# Altium PCB RevA2.PcbDoc (part 4 of 6) (continued)
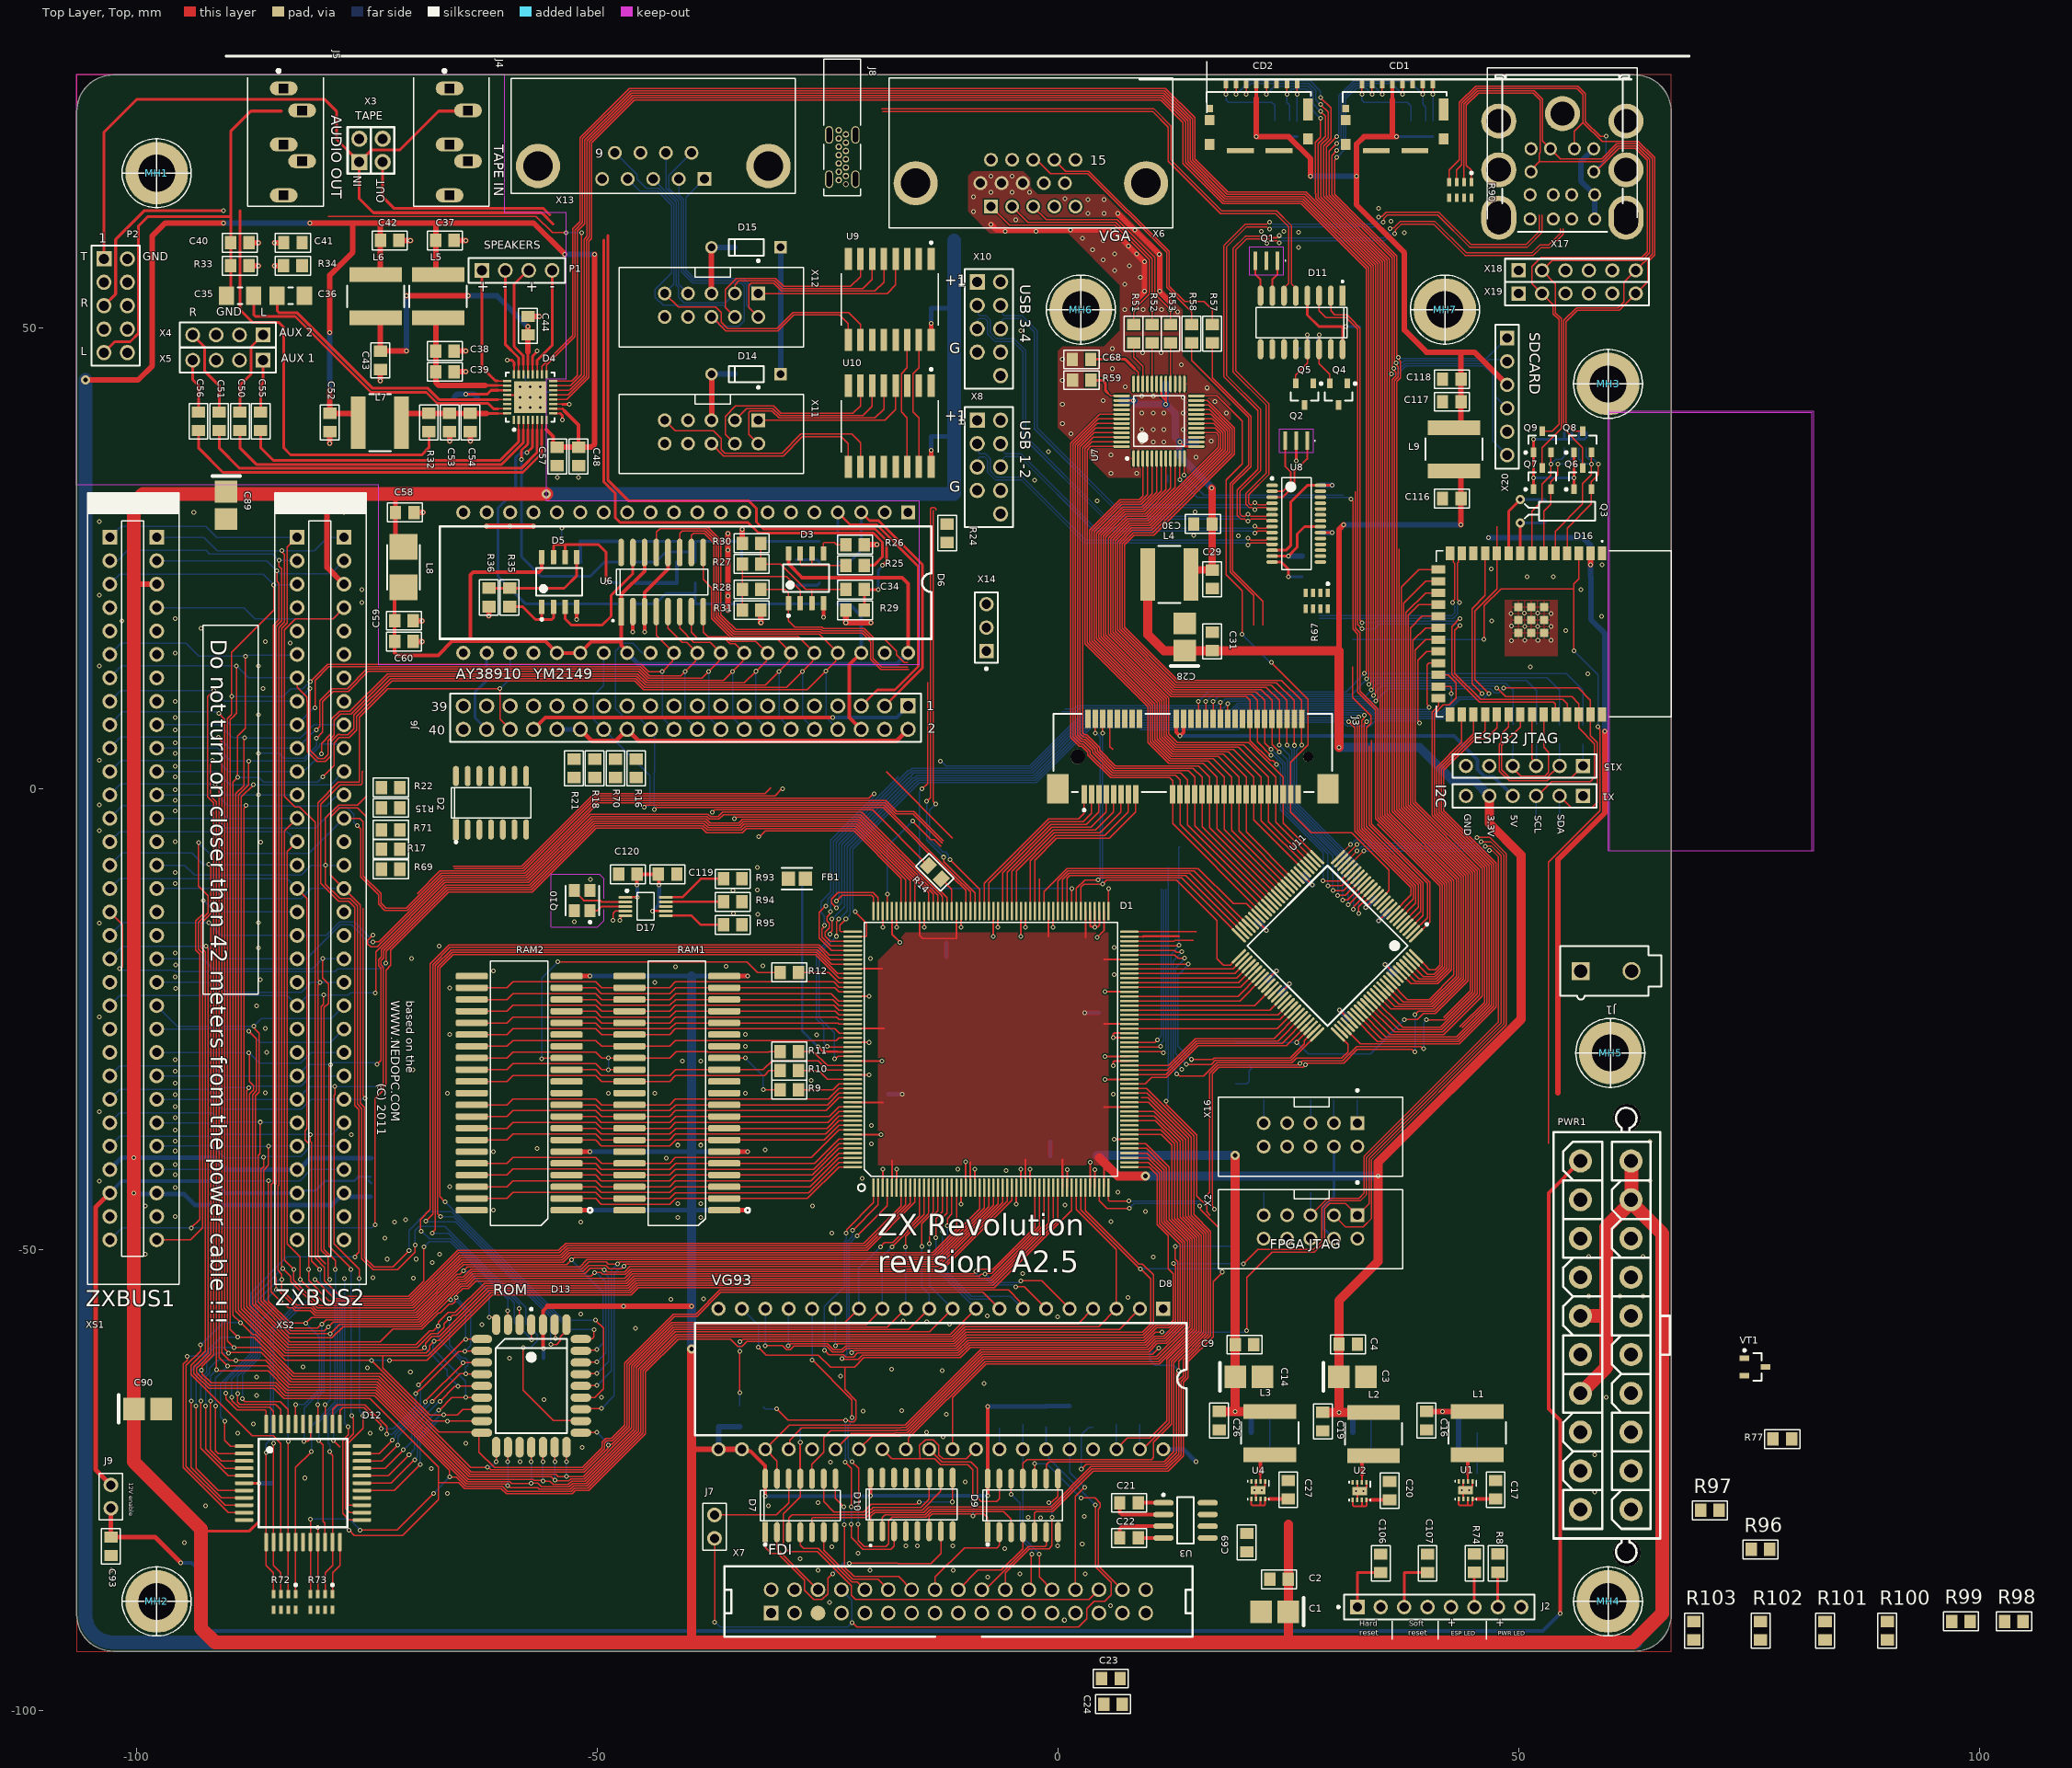
[diagram p0: Top Layer, Top view]
## Nets (pads, with @x,y where several pads share a name; then routed paths per layer and width w, separated by ;. In a path a pad name is that pad's centre, name@x,y a point inside that pad or via, vN(x,y) a via of type N, cw(c..) or ccw(c..) an arc to the next point about the centre after c; other vN are vias at no path point) (continued)
GPIO_4_1: D1.126 J3.9 | length 19.9
  Top Layer, Top w0.127: D1.126@-5,-13.25 -5,-8.947 -0.503,-4.45 4.1,-4.45 6.05,-2.5 J3.9@6.05,-0.6
GPIO_5_1: D1.125 J3.11 | length 20.3
  Top Layer, Top w0.127: D1.125@-4.5,-13.25 -4.5,-8.871 -0.379,-4.75 4.6,-4.75 6.85,-2.5 J3.11@6.85,-0.6
GPIO_6_1: D1.122 J3.13 | length 20.2
  Top Layer, Top w0.127: D1.122@-3,-13.25 -3,-7.795 -0.254,-5.05 5.1,-5.05 7.65,-2.5 J3.13@7.65,-0.6
GPIO_7_1: D1.121 J3.15 | length 20.5
  Top Layer, Top w0.127: D1.121@-2.5,-13.25 -2.5,-7.72 -0.13,-5.35 5.6,-5.35 8.45,-2.5 J3.15@8.45,-0.6
GPIO_8_1: D1.120 | length 3.5
  Top Layer, Top w0.127: D1.120@-2,-13.25 -2,-9.75
H\A\L\T\: D12.14 XS1.B15 XS2.B15 | length 102.2
  Top Layer, Top w0.127: v1(-92.125,-8.182) -92.125,-8.27 -91.9,-8.495 -91.9,-13.532 -92.95,-14.582 -92.95,-17.242 -92.5,-17.692 -92.5,-60.984 -94.05,-62.534 -94.05,-63.536 -87.412,-70.175 -85.112,-70.175 -84.3,-70.987 D12.14@-84.3,-81.7
  Bottom Layer, Bottom w0.127: XS1.B15@-103.235,-8.645 -101.549,-6.958 -93.961,-6.958 -92.737,-8.182 v1(-92.125,-8.182) -92.068,-8.239 -82.57,-8.239 XS2.B15@-82.54,-8.27
HSYNC_1: D1.111 J3.6 R58.1 R100.2 U11.51 | length 79.7
  Top Layer, Top w0.127: D1.111@2.5,-13.25 2.5,-10.656 2.83,-10.327 4.842,-10.327 v1(4.858,-10.311) ; v1(4.85,6.055) J3.6@4.85,7.6 ; v1@4.865,-10.355 5.312,-9.908 12.887,-9.908 17.25,-14.271 17.25,-18.396 17.953,-19.1 18.693,-19.1 U11.51@19.646,-18.146 ; R58.1@14.5,48.375 14.5,46.5 20.7,40.3 20.7,35.093 18.716,33.109 18.716,23.518 21.25,20.984 21.25,17.75
  Bottom Layer, Bottom w0.127: v1(4.85,6.055) 4.85,-10.303 v1(4.858,-10.311)
I2C.SCL_1: D4.17 D16.38 D17.4 J3.30 R82.2 U9.14 U10.14 X1.3 | length 268
  Top Layer, Top w0.127: D4.17@-55.5,44.975 -55.5,45.991 -52.403,49.088 -52.403,60.635 -51.598,61.439 -51.598,70.522 -46.375,75.746 11.575,75.746 14.611,72.71 14.611,68.245 18.34,64.516 26.821,64.516 34.475,56.862 34.475,10.387 34.266,10.177 v1(34.266,10.126) ; v1(-48.25,-14.25) -48.25,-13.5 -48,-13.25 D17.4@-46.925,-13.25 D17.4@-46.75,-13.25 ; U10.14@-16.34,34.95 -16.34,40.257 -16.965,40.882 -16.965,45.064 -16.34,45.689 U9.14@-16.34,48.7 ; J3.30@17.65,7.6 v1(17.649,9.375) ; v1(47.64,10.959) 48.599,10 55.762,10 56.532,9.23 D16.38@56.532,8.075 56.532,6.61 58.237,4.905 58.237,1.28 57.757,0.8 53.57,0.8 52.02,-0.75 X1.3@51.902,-0.75
  Bottom Layer, Bottom w0.127: v1@-48.302,-14.302 v1(-48.25,-14.25) ; 0.77,8.663 1.815,8.663 2.157,9.005 17.255,9.005 17.624,9.375 17.75,9.375 18.157,9.781 33.921,9.781 v1(34.266,10.126) 34.266,10.26 34.299,10.26 34.337,10.298 34.337,10.394 35.127,11.184 47.327,11.184 47.552,10.959 v1(47.64,10.959) ; R82.2@51.902,-4 X1.3@51.902,-0.75
I2C.SDA_1: D4.18 D16.39 D17.5 J3.32 R83.2 U9.15 U10.15 X1.2 | length 270.3
  Top Layer, Top w0.127: D4.18@-56,44.975 -56,45.85 -55.8,46.05 -52.657,49.193 -52.657,60.74 -51.852,61.544 -51.852,70.628 -46.48,76 11.68,76 14.865,72.815 14.865,68.35 18.445,64.77 26.926,64.77 34.729,56.967 34.729,9.796 34.52,9.587 v1(34.52,9.527) ; v1(-47.5,-14.25) -47.414,-14.164 -47.414,-13.904 -47.259,-13.75 D17.5@-46.925,-13.75 D17.5@-46.75,-13.75 ; U10.15@-15.07,34.95 -15.07,40.257 -15.695,40.882 -15.695,45.064 -15.07,45.689 U9.15@-15.07,48.7 ; v1(18.434,9.241) 18.434,7.616 J3.32@18.45,7.6 ; v1(48.39,10.959) 56.478,10.959 57.802,9.635 D16.39@57.802,8.075 57.802,5.764 58.537,5.029 58.537,-1.463 58,-2 55.692,-2 X1.2@54.442,-0.75
  Bottom Layer, Bottom w0.127: v1@-47.512,-14.262 v1(-47.5,-14.25) ; 0.409,8.363 1.939,8.363 2.327,8.751 17.944,8.751 18.72,9.527 v1(34.52,9.527) 34.587,9.46 34.587,9.654 35.817,10.884 46.972,10.884 47.422,10.434 47.857,10.434 48.382,10.959 v1(48.39,10.959) ; R83.2@54.442,-4 X1.2@54.442,-0.75
I\N\T\_1: D1.10 D12.12 R72.4 XS1.B13 XS2.B13 | length 184.5
  Top Layer, Top w0.127: v1(-85.9,-72) D12.12@-85.9,-81.7 -85.9,-84.25 -85.1,-85.05 R72.4@-85.1,-87.35 ; v1@-83,-52.2 -82.9,-52.3 -82.9,-53.313 -80.153,-56.059 -70.036,-56.059 -64.808,-50.831 -53.871,-50.831 -53.084,-50.044 -20.718,-50.044 -15.5,-44.825 D1.10@-15.5,-43.25 ; v1(-82.9,-52.1) -83.915,-51.085 -83.915,-4.565 XS2.B13@-82.54,-3.19
  Bottom Layer, Bottom w0.127: XS1.B13@-103.235,-3.565 XS1.B13@-102.86,-3.19 -101.478,-1.808 -91.511,-1.808 -90.129,-3.19 -82.61,-3.19 XS2.B13@-82.6,-3.2 ; v1(-85.9,-72) -85.9,-71.057 -85.4,-70.557 -85.4,-58.638 -82.9,-56.138 -82.9,-52.3 v1@-83,-52.2
I\O\R\Q\1\_1: D1.148 XS1.B17 | length 106.1
  Top Layer, Top w0.127: XS1.B17@-102.86,-13.35 -101.5,-14.71 -101.5,-19.25 v1@-101.75,-19.5 ; v1(-72.9,-18.896) -72.9,-17.626 -66.193,-10.92 -57.112,-10.92 -50.194,-4.001 -38.5,-4.001 -38.03,-4.471 -34.323,-4.471 -33.9,-4.048 -21.912,-4.048 -16,-9.96 D1.148@-16,-13.25
  Bottom Layer, Bottom w0.127: v1(-101.785,-19.514) -101.684,-19.514 -101.535,-19.663 -95.9,-19.663 -95.758,-19.805 -78.411,-19.805 -78.111,-19.505 -73.508,-19.505 v1(-72.9,-18.896)
I\O\R\Q\2\_1: D1.149 XS1.B31 XS2.B17 | length 174.9
  Top Layer, Top w0.127: v1(-94.034,-47.63) -93.114,-46.71 -93.114,-17.926 -93.55,-17.491 -93.55,-14.333 -92.725,-13.508 v1(-92.725,-12.103) ; v1(-74.074,-47.272) -74.074,-33.584 -73.172,-32.682 -73.172,-32.285 -72.918,-32.031 -72.918,-19.657 -72.375,-19.114 -72.375,-17.461 -66.088,-11.174 -57.007,-11.174 -50.088,-4.255 -38.605,-4.255 -38.135,-4.725 -34.218,-4.725 -33.795,-4.302 -22.017,-4.302 -16.5,-9.819 D1.149@-16.5,-13.25
  Bottom Layer, Bottom w0.127: XS1.B31@-103.122,-49.172 -101.548,-47.598 -94.067,-47.598 v1(-94.034,-47.63) -74.459,-47.63 -74.101,-47.272 v1(-74.074,-47.272) ; v1(-92.725,-12.103) -91.478,-13.35 XS2.B17@-82.55,-13.35
I\O\R\Q\_1: D1.7 D12.16 R72.1 | length 107.5
  Top Layer, Top w0.127: R72.1@-82.7,-87.35 -82.7,-86.6 D12.16@-82.7,-81.7 -82.7,-73.6 v1(-81,-71.9) ; v1(-80.6,-53.2) -78.502,-55.297 -70.352,-55.297 -65.124,-50.069 -54.186,-50.069 -53.399,-49.282 -21.034,-49.282 -17,-45.248 D1.7@-17,-43.25
  Bottom Layer, Bottom w0.127: v1(-81,-71.9) -81,-69.113 -78.413,-66.526 -78.413,-55.386 v1(-80.6,-53.2)
I\P\_6: D8.35 J7.1 R60.1 X7.8 | length 80
  Top Layer, Top w0.127: J7.1@-37.25,-81.29 -37.24,-81.3 -37.24,-90.401 v1(-37.23,-90.411) ; v1(-22.33,-90.463) -22.231,-90.463 -21.779,-90.915 2.267,-90.915 3.161,-90.02 3.161,-88.921 3.954,-88.128 5.072,-88.128 5.771,-87.429 5.771,-86.07 4.084,-84.382 v1(4.084,-77.688)
  Bottom Layer, Bottom w0.127: v1(-37.23,-90.411) -37.146,-90.411 -36.642,-90.915 -22.818,-90.915 -22.367,-90.463 v1(-22.33,-90.463) -22.33,-88.024 X7.8@-23.485,-86.87 ; D8.35@-1.26,-71.63 -0.997,-71.893 -0.997,-72.607 v1(4.084,-77.688)
  Bottom Layer, Bottom w0.2: D8.35@-1.26,-71.63 -1.26,-69.26 R60.1@-1.25,-69.25
IORQGE1_1: D1.78 R69.2 XS1.A13 | length 123.7
  Top Layer, Top w0.127: v1(-76,-3.99) -75.634,-4.355 -75.634,-9.532 -73.704,-11.462 -73.704,-12.485 -73.021,-13.168 -70.597,-13.168 -66.824,-9.396 -65.269,-9.396 -57.746,-9.396 -49.858,-1.508 -18.757,-1.508 -17.561,-2.704 -15.738,-2.704 -12.538,-5.904 ; D1.78@7.75,-28.5 11.194,-28.5 11.339,-28.645 v1(11.46,-28.645)
  Bottom Layer, Bottom w0.127: XS1.A13@-97.78,-3.19 -91.355,-3.19 -90.28,-4.265 -80.589,-4.265 -78.324,-2 -77.129,-2 -76.385,-2.744 -76.385,-3.605 v1(-76,-3.99) ; v1(11.46,-28.645) 11.46,-28.523 11.745,-28.238 11.745,-10.858
IORQGE2_1: D1.80 R70.2 XS1.A31 XS2.A13 | length 165.7
  Top Layer, Top w0.127: XS1.A31@-97.78,-48.91 -94.088,-48.91 -92.8,-47.622 -92.8,-17.817 -93.25,-17.367 -93.25,-14.457 -92.2,-13.407 -92.2,-11.597 -93.242,-10.555 v1(-93.242,-5.829) ; XS2.A13@-77.46,-3.19 -75.76,-3.19 -75.38,-3.57 -75.38,-9.426 -73.45,-11.357 -73.45,-12.38 -72.915,-12.914 -70.702,-12.914 -66.93,-9.142 -65.164,-9.142 -57.851,-9.142 -49.963,-1.254 -18.652,-1.254 -17.456,-2.45 -15.633,-2.45 -12.433,-5.65 ; D1.80@7.75,-27.5 10.51,-27.5 10.778,-27.232 v1(10.823,-27.232)
  Bottom Layer, Bottom w0.127: v1(-93.242,-5.829) -92.077,-6.995 -81.265,-6.995 XS2.A13@-77.46,-3.19 ; v1(10.823,-27.232) 10.823,-27.186 11.237,-26.772 11.237,-10.851
JDET_3: D4.15 J5.4 R32.1 | length 94.7
  Top Layer, Top w0.127: -79.173,62.135 -56.63,62.135 -54.848,60.353 v1(-53.342,60.353) ; D4.15@-54.775,43.75 -52.878,43.75 -51.67,44.958 v1(-51.67,60.353)
  Top Layer, Top w0.3: -88.75,62.75 -88.75,52 -87.353,50.603 -84.529,50.603 -84,50.074 -84,37 -83.25,36.25 -69,36.25 -68.25,37 R32.1@-68.25,38.75
  Bottom Layer, Bottom w0.127: v1(-53.342,60.353) v1(-51.67,60.353)
KEYB_CLK_PHY_12: Q7.3 R90.1 X17.5 X18.2 | length 84.7
  Top Layer, Top w0.127: R90.1@44.873,65.817 44.873,67.127 44.327,67.673 44.327,74.162 45.653,75.488 51.588,75.488 52.332,74.743 52.332,69.04 52.259,68.966 52.259,68.062 ; X17.5@51.35,66.95 51.35,67.152 52.259,68.062 ; Q7.3@52.55,34.8 52.55,37.025 54.623,39.098 54.623,51.018 54,51.641 54,54.79 X18.2@52.54,56.25 53.622,57.332 63.423,57.332 64.238,58.147 64.238,68.278 62.776,69.74 60.747,69.74 59.068,68.062 52.259,68.062
KEYB_DAT_PHY_12: Q6.3 R90.2 X17.1 X18.6 | length 77.6
  Top Layer, Top w0.127: R90.2@44.073,65.817 44.073,74.267 45.548,75.742 51.693,75.742 52.586,74.848 52.586,70.314 X17.1@53.45,69.45 54.538,68.362 59.009,68.362 60.642,69.994 62.881,69.994 64.492,68.383 64.492,58.042 X18.6@62.7,56.25 61.438,54.988 61.438,52.847 60.795,52.204 56.269,52.204 54.877,50.812 54.877,39.098 56.95,37.025 Q6.3@56.95,34.8
LED1_11: R74.2 U9.11
left_ch1_3: C45.1 C62.2 R38.2 R46.1 R48.1 | length 16.5
  Bottom Layer, Bottom w0.3: C45.1@-45.801,24.595 -43.651,24.595 -42.526,25.72 -39.351,25.72 ; R38.2@-39.351,24.595 -39.351,25.72 ; R48.1@-34.301,24.595 C62.2@-34.301,26.845 R46.1@-39.351,26.845 -39.351,25.72
left_ch2_3: C50.2 D4.3 | length 36.8
  Top Layer, Top w0.127: -58,39 D4.3@-58,40.025
  Top Layer, Top w0.3: C50.2@-88.75,38.89 -88.75,37 -86.954,35.204 -60.355,35.204 -58,37.559 -58,39
left_ch3_3: C55.2 D4.2 | length 33.7
  Top Layer, Top w0.127: -58.5,39 D4.2@-58.5,40.025
  Top Layer, Top w0.3: C55.2@-86.5,38.89 -86.5,37 -85.131,35.631 -60.532,35.631 -58.5,37.663 -58.5,39
LOUT_3: C35.1 D4.31 | length 33.8
  Top Layer, Top w0.127: -60.75,41.25 D4.31@-59.725,41.25
  Top Layer, Top w0.3: C35.1@-87.25,53.5 -87.25,51.426 -87.074,51.25 -82.744,51.25 -74.52,43.027 -68.53,43.027 -67.327,41.823 -61.823,41.823 -61.25,41.25 -60.75,41.25
LOUT_PH_3: C35.2 C40.2 J5.2 P2.9 R33.2 | length 51.1
  Top Layer, Top w0.3: P2.9@-103.5,47.34 -102.325,48.515 -100.663,48.515 -99.75,49.428 -99.75,61.091 -98.75,62.091 -89.752,62.091 ; C35.2@-90.2,53.5 -89.75,53.95 R33.2@-89.75,56.75 C40.2@-89.75,59.248 ; C40.2@-89.752,59.25 -89.752,62.091 ; -84.269,73.536 -87.55,73.536 -89.752,71.334 -89.752,62.091
M\1\_1: D1.144 D12.24 XS1.B24 XS2.B24 | length 166.1
  Top Layer, Top w0.127: v1(-78.9,-29.9) -78.9,-30.022 -79.075,-30.197 -79.075,-49.625 -76.7,-52 v1(-76.7,-52.1) ; v1(-76.6,-68) -76.6,-68.122 -76.425,-68.297 -76.425,-69.975 -77.3,-70.85 -77.3,-78.027 -76.827,-78.5 D12.24@-75.5,-78.5 ; v1(-73.88,-29.89) -73.426,-29.436 -73.426,-19.471 -73.708,-19.19 -73.708,-18.499 -73.408,-18.199 -73.408,-17.416 -66.403,-10.412 -65.69,-10.412 -57.322,-10.412 -50.404,-3.493 -38.29,-3.493 -37.82,-3.963 -34.534,-3.963 -34.11,-3.54 -21.702,-3.54 -14,-11.242 D1.144@-14,-13.25
  Bottom Layer, Bottom w0.127: XS1.B24@-103.055,-31.325 -101.785,-30.055 -91.688,-30.055 -90.613,-31.13 -82.61,-31.13 XS2.B24@-82.54,-31.2 ; XS2.B24@-82.54,-31.13 -81.31,-29.9 -78.778,-29.9 -78.596,-29.717 -74.175,-29.717 -74.002,-29.89 v1(-73.88,-29.89) ; v1(-76.7,-52.1) -76.7,-67.739 -76.671,-67.767 -76.671,-67.928 v1(-76.6,-68)
M\O\T\_6: D9.2 X7.16 | length 11.3
  Top Layer, Top w0.127: X7.16@-13.325,-86.87 -13.325,-85.493 -10.147,-82.316 -6.607,-82.316 -6.34,-82.049 D9.2@-6.34,-80.52
M\R\E\Q\_1: D1.8 D12.15 R72.2 XS1.B16 XS2.B16 | length 173
  Top Layer, Top w0.127: R72.2@-83.5,-87.35 D12.15@-83.5,-81.7 v1(-83.5,-70.8) ; XS2.B16@-82.5,-10.8 -82.5,-10.85 -81.465,-11.885 -81.465,-36.834 -81.691,-37.06 -81.691,-38.078 -81.3,-38.469 v1(-81.3,-52.1) -81.3,-53.313 -79.061,-55.551 -70.247,-55.551 -65.019,-50.323 -54.081,-50.323 -53.294,-49.536 -20.929,-49.536 -16.5,-45.107 D1.8@-16.5,-43.25
  Bottom Layer, Bottom w0.127: XS1.B16@-103.235,-11.185 XS1.B16@-102.86,-10.81 -101.785,-9.735 -83.615,-9.735 XS2.B16@-82.54,-10.81 ; v1(-83.5,-70.8) -83.5,-57.587 -81.3,-55.387 v1(-81.3,-52.1)
MISO_1: J3.12 U11.2 | length 23.5
  Top Layer, Top w0.127: 33.758,4.7 33.758,-3.914 40.095,-10.251 40.095,-13.961 U11.2@38.526,-15.53
MOSI_1: J3.14 U11.3 | length 32.6
  Top Layer, Top w0.127: 32,13.25 32,9.905 33.967,7.938 33.967,7.104 33.504,6.641 33.504,-4.065 39.622,-10.183 39.622,-13.727 U11.3@38.173,-15.177
MOUS_CLK_PHY_12: Q9.3 R90.4 X17.6 X19.2 | length 85.2
  Top Layer, Top w0.127: R90.4@42.473,65.817 42.473,67.16 43.565,68.252 43.565,74.478 45.337,76.25 56.453,76.25 57.254,75.449 57.254,72.413 58.867,70.8 v1(59.5,70.8) ; Q9.3@52.55,38.8 53.625,38.8 54.369,39.544 54.369,50.913 53.746,51.536 53.746,52.544 X19.2@52.54,53.75 51.462,54.828 51.462,56.657 52.462,57.656 63.388,57.656 63.984,58.252 63.984,68.173 62.671,69.486 60.852,69.486 58.316,66.95 X17.6@58.15,66.95
  Bottom Layer, Bottom w0.127: X17.6@58.15,66.95 59.5,68.3 v1(59.5,70.8)
MOUS_DAT_PHY_12: Q8.3 R90.3 X17.2 X19.6 | length 76.1
  Top Layer, Top w0.127: R90.3@43.273,65.817 43.273,67.16 43.819,67.706 43.819,74.372 45.442,75.996 56.348,75.996 57,75.344 57,72.308 ; X17.2@56.05,69.45 56.05,71.358 57,72.308 ; Q8.3@56.95,38.8 56.025,38.8 55.131,39.694 55.131,50.707 56.374,51.95 60.9,51.95 X19.6@62.7,53.75 64,55.05 64,57.191 64.746,57.937 64.746,68.488 62.986,70.248 59.059,70.248 57,72.308
N\M\I\_1: D1.9 D12.13 R72.3 XS1.B14 XS2.B14 | length 179.3
  Top Layer, Top w0.127: v1(-85.1,-71) D12.13@-85.1,-81.7 -85.1,-84.25 -84.3,-85.05 R72.3@-84.3,-87.35 ; XS2.B14@-82.54,-5.73 -83.615,-6.805 -83.615,-49.355 -82.2,-50.77 v1(-82.2,-53.2) ; v1@-82.147,-53.347 -82.053,-53.347 -79.594,-55.805 -70.141,-55.805 -64.913,-50.577 -53.976,-50.577 -53.189,-49.79 -20.824,-49.79 -16,-44.966 D1.9@-16,-43.25
  Bottom Layer, Bottom w0.127: XS1.B14@-103.235,-6.105 -101.785,-4.655 -83.615,-4.655 XS2.B14@-82.54,-5.73 ; v1(-85.1,-71) -85.1,-58.762 -82.2,-55.862 v1(-82.2,-53.2)
NetC15_1: C15.1 R1.1 R2.1 U1.4 | length 4.5
  Bottom Layer, Bottom w0.127: R1.1@45.5,-74.325 C15.1@45.5,-72.075 R2.1@45.5,-69.825
NetC18_1: C18.1 R3.1 R4.1 U2.4 | length 4.4
  Bottom Layer, Bottom w0.127: R3.1@34,-72.025 C18.1@34,-69.775 R4.1@34,-67.625
NetC21_1: C21.1 U3.2 | length 5.9
  Top Layer, Top w0.4: C21.1@6.725,-77.44 6.725,-78.498 6.804,-78.576 6.937,-78.71 U3.2@11.463,-78.71
NetC21_2: C21.2 U3.1 | length 2.7
  Top Layer, Top w0.4: C21.2@8.725,-77.44 U3.1@11.463,-77.44
NetC22_1: C22.1 U3.3 | length 5.9
  Top Layer, Top w0.4: C22.1@6.725,-81.25 6.725,-80.248 6.993,-79.98 U3.3@11.463,-79.98
NetC22_2: C22.2 U3.4 | length 2.7
  Top Layer, Top w0.4: C22.2@8.725,-81.25 U3.4@11.463,-81.25
NetC24_1: C24.1 U3.6 VD1.1
NetC25_1: C25.1 R6.1 R7.1 U4.4 | length 4.5
  Bottom Layer, Bottom w0.127: R6.1@23,-72.025 C25.1@23,-69.775 23,-68.55 R7.1@23,-67.525
NetC34_2: C34.2 D3.3 R27.2 R30.1 | length 14.1
  Top Layer, Top w0.127: R30.1@-32.23,26.65 R27.2@-32.23,24.4 -30.096,24.4 -27.326,21.63 -26.69,21.63 ; D3.3@-26.69,20.15 -26.69,21.63 ; C34.2@-23,21.63 -26.69,21.63
NetC38_1: C38.1 C39.1 D4.26 L5.2 | length 15.4
  Top Layer, Top w0.2: -60.775,43.75 D4.26@-59.75,43.75
  Top Layer, Top w0.3: -62.125,43.75 -60.775,43.75
  Top Layer, Top w0.6: L5.2@-67.5,51.25 C38.1@-67.5,47.5 C39.1@-67.5,45.25 ; C39.1@-67.241,44.991 C39.1@-67.5,45.25 ; -62.125,43.75 -67.149,43.75 -67.5,44.101 C39.1@-67.5,45.25
NetC43_1: C43.1 C44.1 D4.21 L6.2 | length 32.3
  Top Layer, Top w0.2: D4.21@-57.5,44.975 -57.5,46
  Top Layer, Top w0.3: -57.5,46 -57.5,47.439
  Top Layer, Top w0.6: L6.2@-73.5,51.25 -73.5,51.1 C43.1@-73.5,47.5 v1(-70.65,47.5) ; v1(-70.65,53.5) v1(-64,53.5) ; -57.5,47.439 C44.1@-57.5,49.25 v1(-57.5,50.14)
  Bottom Layer, Bottom w0.6: v1(-70.65,47.5) v1(-70.65,53.5) ; v1(-64,53.5) -60.86,53.5 v1(-57.5,50.14)
NetC45_2: C45.2 D4.4 | length 27
  Top Layer, Top w0.127: -57.5,39 D4.4@-57.5,40.025
  Top Layer, Top w0.3: v1(-58.191,35.75) -58.191,36.732 -57.5,37.423 -57.5,39
  Bottom Layer, Bottom w0.3: v1(-58.191,35.75) -58.191,25.191 -56.07,23.07 -50.75,23.07 -49.225,24.595 C45.2@-47.801,24.595
NetC46_1: C46.1 C47.1 D4.27 | length 7.4
  Top Layer, Top w0.2: -60.75,43.25 D4.27@-59.725,43.25
  Top Layer, Top w0.3: v1(-64.226,42.85) -61.9,42.85 -61.5,43.25 -60.75,43.25
  Bottom Layer, Bottom w0.6: C47.1@-65.5,42.5 -65.15,42.85 v1(-64.226,42.85) ; v1@-64.126,42.85 -63.35,42.85 C46.1@-63,42.5
NetC49_2: C49.2 D4.5 | length 33.1
  Top Layer, Top w0.127: -57,39 D4.5@-57,40.025
  Top Layer, Top w0.3: v1(-57.591,36.484) -57,37.074 -57,39
  Bottom Layer, Bottom w0.3: v1(-57.591,36.484) -57.626,36.449 -58.341,36.449 -58.824,35.965 -58.824,32.395 -60.75,30.469 -60.75,23.07 -57.775,20.095 C49.2@-47.801,20.095
NetC50_1: C50.1 X4.1 | length 9.4
  Top Layer, Top w0.3: C50.1@-88.75,40.89 -88.75,43.79 -87.535,45.005 -87.535,47.965 X4.1@-86.25,49.25
NetC51_1: C51.1 X4.4 | length 9.5
  Top Layer, Top w0.3: X4.4@-93.87,49.25 -92.593,47.973 -92.593,45.343 -91,43.75 C51.1@-91,40.89
NetC55_1: C55.1 X5.1 | length 5.7
  Top Layer, Top w0.3: C55.1@-86.5,40.89 -86.5,43.75 -86.25,44 X5.1@-86.25,46.5
NetC56_1: C56.1 X5.4 | length 5.9
  Top Layer, Top w0.3: X5.4@-93.87,46.5 -93.87,44.41 -93.25,43.79 C56.1@-93.25,40.89
NetC61_1: C61.1 R37.1 R38.1 | length 6.7
  Bottom Layer, Bottom w0.4: C61.1@-45.801,22.345 R37.1@-41.351,22.345 R38.1@-41.351,24.595
NetC61_2: C61.2 D5.6 D5.7 | length 13.2
  Top Layer, Top w0.3: D5.7@-54.73,25.15 -54.73,26.324 -54.554,26.5 -53.46,26.5 ; D5.6@-53.46,25.15 -53.46,26.5 ; v1(-48.999,22.346) -48.999,25.654 -49.845,26.5 -53.46,26.5
  Bottom Layer, Bottom w0.3: v1(-48.999,22.346) C61.2@-47.801,22.345
NetC62_1: C62.1 R39.1 R41.1 | length 6.5
  Bottom Layer, Bottom w0.3: C62.1@-32.301,26.845 R41.1@-28.411,26.845 R39.1@-25.851,26.845
NetC63_1: C63.1 R43.1 R44.1 | length 6.5
  Bottom Layer, Bottom w0.3: C63.1@-32.301,20.095 R43.1@-28.375,20.095 R44.1@-25.851,20.095
NetC64_1: C64.1 R49.1 R50.2 | length 6.3
  Bottom Layer, Bottom w0.4: R50.2@-51.786,24.595 -51.812,24.621 R49.1@-51.812,26.845 C64.1@-47.801,26.845
NetC64_2: C64.2 R45.2 R46.2 | length 4.5
  Bottom Layer, Bottom w0.3: C64.2@-45.801,26.845 R46.2@-41.351,26.845
NetC68_1: C68.1 U7.35 | length 7
  Top Layer, Top w0.127: 8.331,45.595 8.725,45.201 U7.35@8.725,43.945
  Top Layer, Top w0.3: C68.1@3.58,46.595 7.331,46.595 8.331,45.595
NetC87_1: C87.1 U8.13 U8.21 | length 9
  Top Layer, Top w0.3: U8.13@23.25,25.251 v1(25,25.251) ; v1@25.08,25.251 v1(25,25.251) ; U8.21@28.5,28.451 26.779,28.451 25.978,27.65 25.978,26.229 v1(25,25.251)
  Bottom Layer, Bottom w0.6: v1(25,25.251) v1(25,25.251) C87.1@26.5,25.25
NetC88_1: C88.1 U8.12 U8.28 | length 13.4
  Top Layer, Top w0.3: U8.12@23.25,25.891 24.75,25.891 25.285,26.426 25.285,31.156 27.06,32.931 U8.28@28.5,32.931 v1(29.75,32.931)
  Bottom Layer, Bottom w0.6: C88.1@28.5,32.931 v1(29.75,32.931)
NetC98_2: C98.2 D14.2 X11.5 | length 7.6
  Top Layer, Top w0.6: X11.5@-37.58,40 -37.54,40.04 -37.54,44.96 D14.2@-37.5,45
  Bottom Layer, Bottom w0.6: D14.2@-37.58,45 C98.2@-35.04,45
NetC101_2: C101.2 D15.2 X12.5 X13.5 | length 7.5
  Top Layer, Top w0.6: X12.5@-37.58,53.75 D15.2@-37.58,58.75
  Bottom Layer, Bottom w0.6: D15.2@-37.58,58.75 C101.2@-35.04,58.75
NetC102_1: C102.1 D16.9 Q3.2 | length 9.2
  Top Layer, Top w0.3: D16.9@48.912,25.575 48.912,30.127 Q3.2@50.182,31.397
  Bottom Layer, Bottom w0.3: Q3.2@50.182,31.397 52.779,31.397 C102.1@52.926,31.25
NetC103_1: C103.1 D16.8 Q3.1 | length 6.1
  Top Layer, Top w0.3: D16.8@50.182,25.575 Q3.1@50.182,28.857
  Bottom Layer, Bottom w0.3: Q3.1@50.182,28.857 52.783,28.857 C103.1@52.926,29
NetC119_1: C119.1 C120.1 D17.1 D17.7 FB1.2 | length 11.6
  Top Layer, Top w0.25: D17.1@-46.75,-11.75 v1@-45.653,-11.75 ; v1(-44,-13.25) D17.7@-42.7,-13.25
  Top Layer, Top w0.3: v1@-45.653,-11.75 v1(-45.642,-11.762)
  Top Layer, Top w0.4: v1(-45.657,-10.401) -45.657,-9.343 -45.564,-9.25 -43.25,-9.25 -43.262,-9.262 v1(-43.262,-10.402)
  Bottom Layer, Bottom w0.4: v1(-45.657,-10.401) -45.649,-10.409 -45.649,-11.754 v1(-45.642,-11.762) ; v1(-44,-13.25) -43.257,-12.507 v1@-43.257,-10.408
NetCD1_1: CD1.1 R91.1 | length 9
  Top Layer, Top w0.127: v1(18.25,75.35) CD1.1@18.25,76.5
  Bottom Layer, Bottom w0.127: v1(18.25,75.35) 18.25,74.75 18.5,74.5 23.211,74.5 23.55,74.161 R91.1@23.55,72.49
NetCD1_8: CD1.8 R91.4 | length 4.1
  Top Layer, Top w0.127: v1(25.95,75.35) CD1.8@25.95,76.5
  Bottom Layer, Bottom w0.127: R91.4@25.95,72.378 v1(25.95,75.35)
NetCD2_1: CD2.1 R92.1 | length 9
  Top Layer, Top w0.127: v1(33,75.35) CD2.1@33,76.5
  Bottom Layer, Bottom w0.127: v1(33,75.35) 33,74.732 33.251,74.481 37.907,74.481 38.3,74.087 R92.1@38.3,72.458
NetCD2_8: CD2.8 R92.4 | length 4
  Top Layer, Top w0.127: v1(40.7,75.35) CD2.8@40.7,76.5
  Bottom Layer, Bottom w0.127: R92.4@40.7,72.458 v1(40.7,75.35)
NetD1_139: D1.139 R14.1 | length 4
  Top Layer, Top w0.127: R14.1@-12.636,-9.746 -11.5,-10.881 D1.139@-11.5,-13.25
NetD1_168: D1.168 R12.1 | length 6.5
  Top Layer, Top w0.127: R12.1@-28.136,-19.903 -24.847,-19.903 -23.75,-21 D1.168@-22.25,-21 ; R12.1@-27.911,-20.566 R12.1@-27.811,-20.466
NetD1_186: D1.186 R11.1 | length 6.5
  Top Layer, Top w0.127: R11.1@-28.136,-28.483 -26.535,-28.483 -25.018,-30 D1.186@-22.25,-30
NetD1_189: D1.189 R10.1 | length 6.3
  Top Layer, Top w0.127: R10.1@-28.134,-30.562 -25.956,-30.562 -25.018,-31.5 D1.189@-22.25,-31.5
NetD1_190: D1.190 R9.1 | length 6.1
  Top Layer, Top w0.127: R9.1@-28.134,-32.625 -24.375,-32.625 -23.75,-32 D1.190@-22.25,-32
NetD2_2: D2.2 R15.1 R16.1
NetD2_4: D2.4 R22.1
NetD2_8: D2.8 R17.1 | length 39.2
  Top Layer, Top w0.127: -65.507,-8.634 -64.953,-8.634 -58.061,-8.634 -50.174,-0.746 -30.701,-0.746 -29.931,0.024 v1(-29.88,0.024)
NetD2_10: D2.10 D2.13
NetD2_11: D2.11 D2.12
NetD3_2: D3.2 R27.1 R28.2 R31.1 | length 13.3
  Top Layer, Top w0.127: R31.1@-34.23,19.4 R28.2@-34.23,21.65 -34.23,23.025 ; R27.1@-34.23,24.4 -34.23,23.025 ; D3.2@-27.96,20.15 -27.96,21.565 -29.42,23.025 -34.23,23.025
NetD3_5: D3.5 R24.1 R26.1 | length 3.7
  Top Layer, Top w0.127: D3.5@-25.42,25.55 -25.42,26.662 -25.332,26.75 -24.25,26.75 -24,26.5 R26.1@-23,26.5
NetD3_6: D3.6 D3.7 R25.1 | length 7.5
  Top Layer, Top w0.127: D3.7@-27.96,25.55 -27.96,24.338 -27.872,24.25 -26.69,24.25 ; D3.6@-26.69,25.55 -26.69,24.25 ; R25.1@-23,24.25 -26.69,24.25
NetD5_1: D5.1 D5.2 R35.2 | length 7.9
  Top Layer, Top w0.3: R35.2@-59.48,19.775 -58.066,19.775 -56.678,18.387 -56,18.387 ; D5.1@-56,19.75 -56,18.387 ; D5.2@-54.73,19.75 -54.73,18.563 -54.906,18.387 -56,18.387
NetD5_3: D5.3 U6.15 | length 14.8
  Top Layer, Top w0.3: D5.3@-53.46,19.75 -53.46,18.45 -52.81,17.8 -49.414,17.8 -48.48,18.734 -48.48,20.989 -46.11,23.359 U6.15@-46.11,25.645
NetD5_5: D5.5 R35.1 R36.2 | length 12.1
  Top Layer, Top w0.3: R36.2@-61.73,21.775 R35.1@-59.48,21.775 -53.564,21.775 -52.19,23.149 D5.5@-52.19,25.15
NetD7_12: D7.12 J7.0 | length 11.2
  Top Layer, Top w0.127: J7.0@-37.25,-78.75 -30.511,-78.75 -29.21,-77.449 D7.12@-29.21,-74.83
NetD11_7: D11.7 Q1.1 | length 4
  Top Layer, Top w0.2: D11.7@23.27,53.5 23.27,55.25 23.831,55.811 Q1.1@23.831,57.309
NetD11_8: D11.8 Q1.3 | length 4
  Top Layer, Top w0.2: Q1.3@21.431,57.309 21.431,55.819 22,55.25 D11.8@22,53.5
NetD16_24: D16.24 R77.1 | length 44.5
  Top Layer, Top w0.127: D16.24@41.312,12.38 42.355,12.38 43.233,11.503 43.233,9.894 42.438,9.1 41.819,9.1 40.852,8.133 40.852,-2.763 46.54,-8.451 46.54,-23.247 43.863,-25.924
NetD17_2: D17.2 Q10.3 | length 6.3
  Top Layer, Top w0.2: Q10.3@-52.45,-11 -52.45,-11.1 -51.45,-12.1 -49.65,-12.1 -49.5,-12.25 D17.2@-46.75,-12.25
NetD17_3: D17.3 Q10.1 | length 4.2
  Top Layer, Top w0.2: Q10.1@-50.75,-13.2 -49.95,-13.2 -49.5,-12.75 D17.3@-46.75,-12.75
NetD17_6: D17.6 R95.1 | length 6.9
  Top Layer, Top w0.25: D17.6@-42.7,-13.75 -39.75,-13.75 -38.75,-14.75 R95.1@-36.25,-14.75
NetD17_9: D17.9 R94.1 | length 6.4
  Top Layer, Top w0.25: D17.9@-42.7,-12.25 R94.1@-36.25,-12.25
NetD17_10: D17.10 R93.1 | length 7.3
  Top Layer, Top w0.25: D17.10@-42.7,-11.75 -40.75,-11.75 -38.75,-9.75 R93.1@-36.25,-9.75
NetJ2_7: J2.7 R8.1 | length 3.8
  Top Layer, Top w0.3: J2.7@47.74,-88.75 R8.1@47.74,-85
NetL1_1: L1.1 U1.2 | length 3.5
  Top Layer, Top w0.2: U1.2@44.5,-75.125 44.5,-74.275
  Top Layer, Top w0.4: 44.5,-74.275 44.5,-72.825 45.1,-72.225 L1.1@45.5,-72.225
NetL2_1: L2.1 U2.2 | length 3.5
  Top Layer, Top w0.2: U2.2@33,-75.225 33,-74.375
  Top Layer, Top w0.4: 33,-74.375 33,-72.925 33.6,-72.325 L2.1@34,-72.325
NetL3_1: L3.1 U4.2 | length 3.5
  Top Layer, Top w0.2: U4.2@22,-75.125 22,-74.275
  Top Layer, Top w0.4: 22,-74.275 22,-72.825 22.6,-72.225 L3.1@23,-72.225
NetPWR1_14: PWR1.14 VT1.3
NetQ2_1: Q2.1 U8.3 | length 8.4
  Top Layer, Top w0.2: U8.3@23.25,31.651 24.38,31.651 25.663,32.934 25.663,34.413 27.063,35.813 Q2.1@27.063,37.774
NetQ2_3: Q2.3 U8.2 | length 7.2
  Top Layer, Top w0.2: U8.2@23.25,32.291 24.38,32.291 25.25,33.162 25.25,34.413 24.663,35 Q2.3@24.663,37.774
NetQ4_1: Q4.1 R80.6
NetQ5_1: Q5.1 R80.5
NetR40_1: R40.1 R41.2 | length 2.7
  Bottom Layer, Bottom w0.3: R41.2@-28.411,24.845 -26.101,24.845 R40.1@-25.851,24.595
NetR42_1: R42.1 R43.2 | length 2.6
  Bottom Layer, Bottom w0.3: R43.2@-28.375,22.095 -26.101,22.095 R42.1@-25.851,22.345